# Allegro board zp-dic_pda_8ch_board_v001_166_20241018_1809.brd (continued)
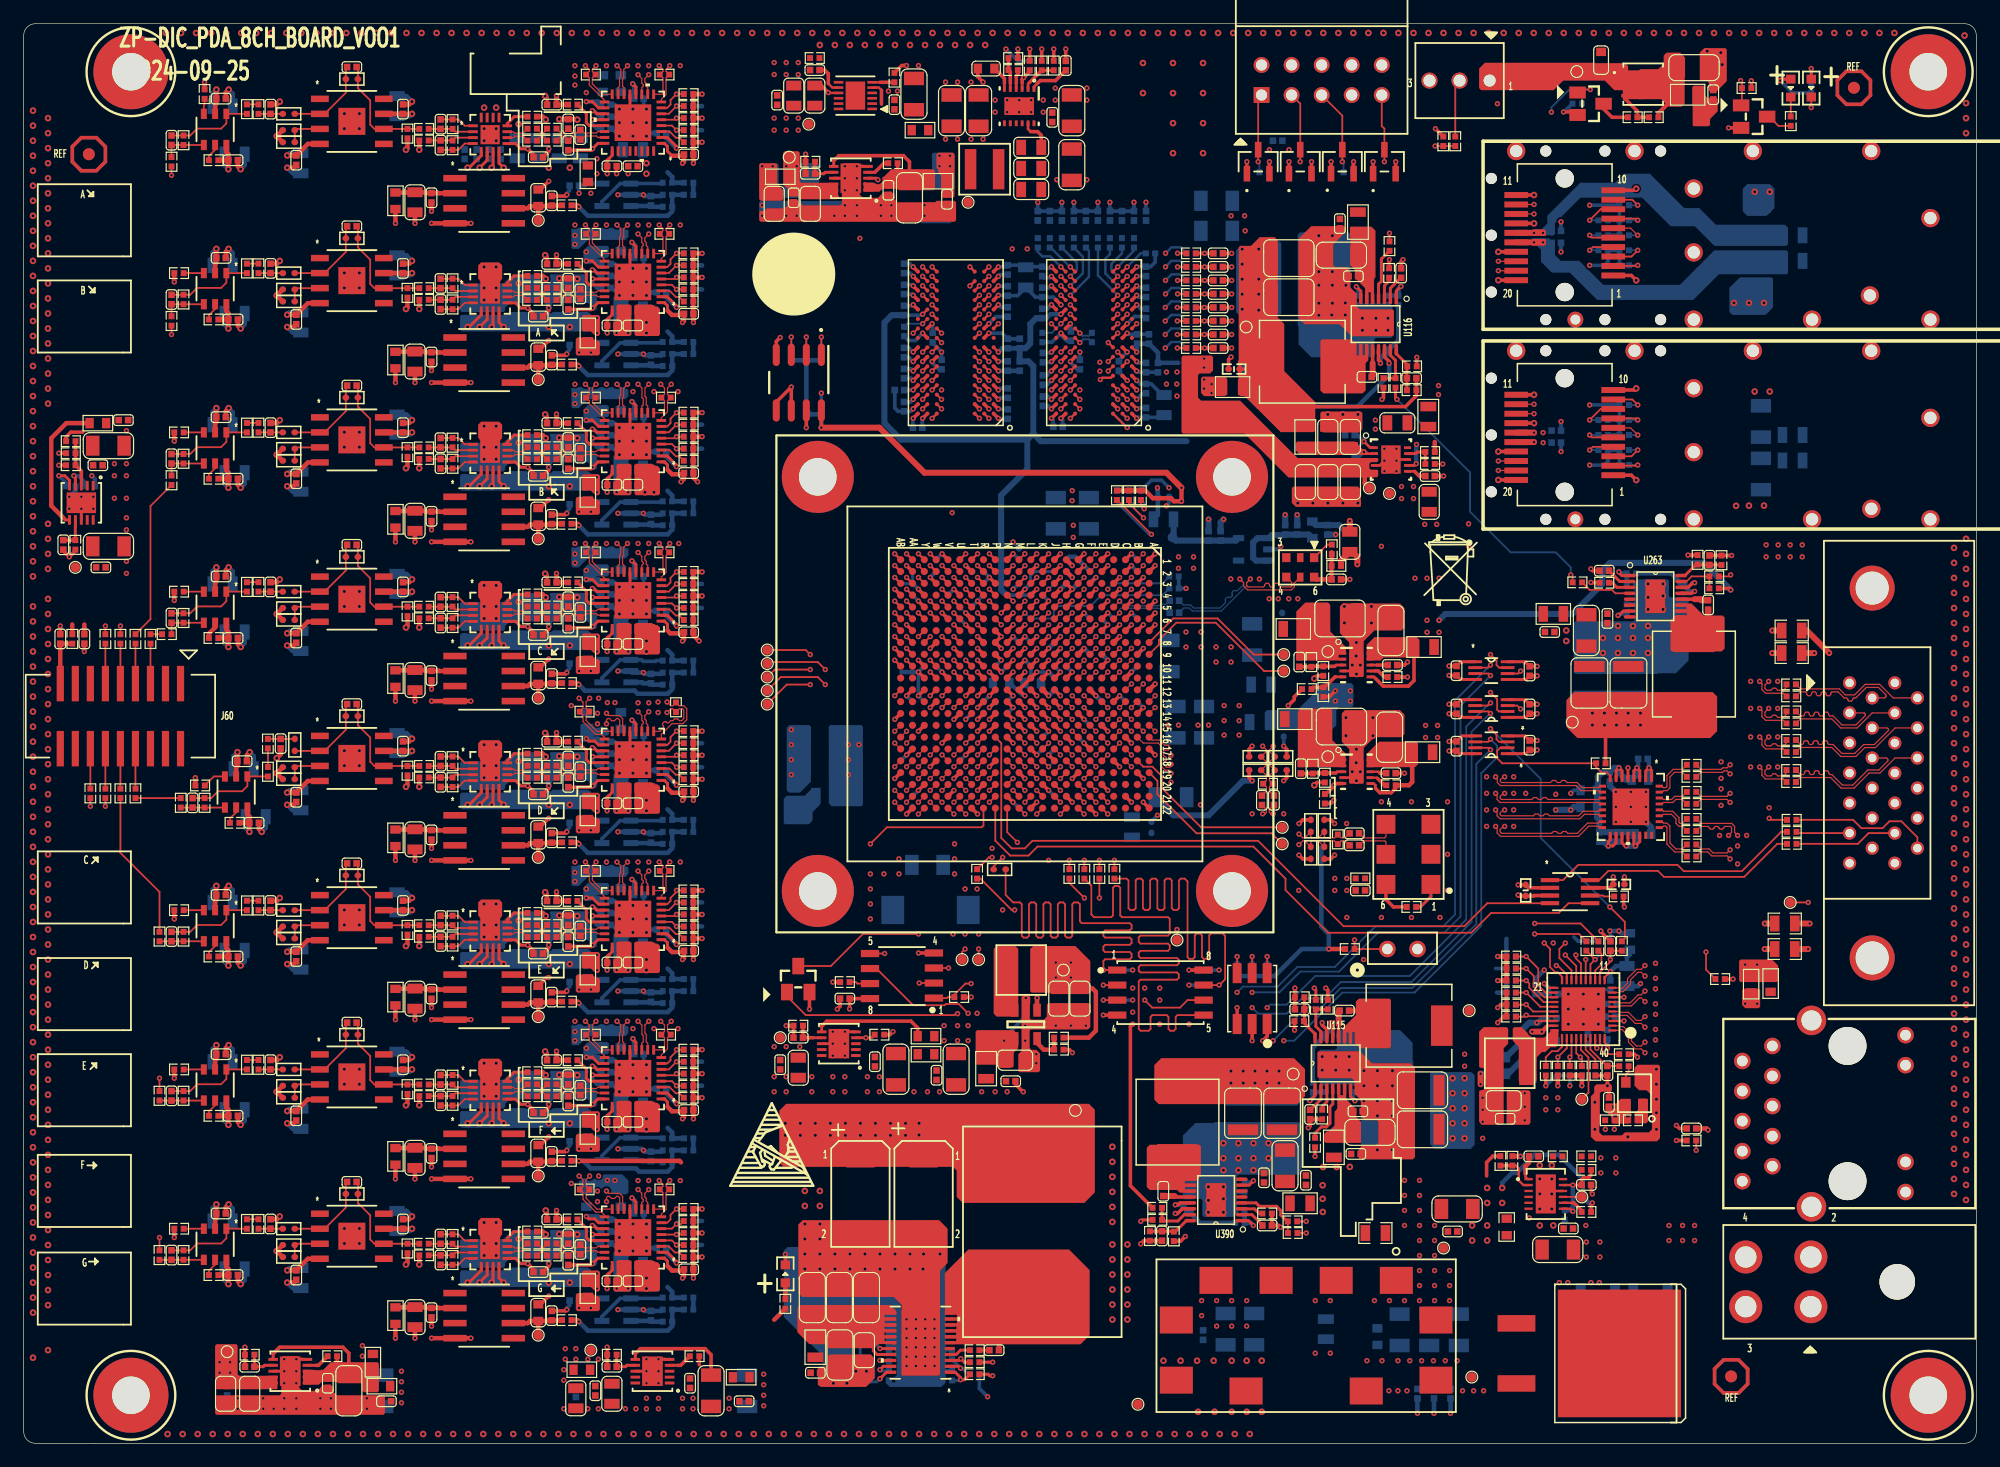
[diagram p0: board, top side]
## Routing (per net, layer and track width the routed paths; a pad name or vN(x,y) marks a point on that pad's centre or on a via; arc(x,y) is an arc through that point) (continued)
  TOP w0.508: R2085.2 v1(147.11,41.78) ; R2087.2 v1(147.75,68.7) ; R2086.2 v1(147.75,66.8) ; R2084.2 v1(147.12,43.94) ; C2484.2 v1(112.06,77.98)
  GND02 w0.305: J77.2 119.17,41.78 ; J77.2 116.51,41.78 ; J77.2 117.78,42.93 ; J77.2 117.78,40.51
  GND02 w0.508: J6.13 157.74,31.96 ; J6.13 159.02,33.08 ; J6.13 159.02,30.74 ; J6.13 160.28,31.96 ; 113.55,116.51 J1.10 ; J1.10 115.85,116.51 ; J1.10 114.76,115.42 ; J1.10 114.76,117.65 ; J1.2 105.69,116.51 ; J1.2 103.39,116.51 ; J1.2 104.6,115.42 ; J1.2 104.6,117.65 ; 117.71,115.19 J61.3 ; J61.3 118.79,116.33 ; J61.3 118.79,114.08 ; J61.3 119.89,115.19
  GND04 w0.305: J77.2 117.78,43.11 ; J77.2 116.63,41.78 ; J77.2 117.78,40.64 ; J77.2 118.98,41.78
  GND04 w0.508: 117.62,115.19 J61.3 ; J61.3 119.97,115.19 ; J61.3 118.79,116.36 ; J61.3 118.79,114.01 ; J1.10 114.76,117.76 ; J1.10 114.76,115.25 ; J1.10 116.01,116.51 ; J1.10 113.51,116.51 ; J1.2 104.6,117.76 ; J1.2 105.85,116.51 ; J1.2 103.35,116.51 ; J1.2 104.6,115.25 ; J6.13 160.21,31.96 ; J6.13 157.82,31.96 ; J6.13 159.02,33.08 ; J6.13 159.02,30.77
  GND07 w0.305: J77.2 118.92,41.78 ; J77.2 117.78,42.93 ; J77.2 117.78,40.64 ; J77.2 116.63,41.78
  GND07 w0.508: J1.10 114.76,117.73 ; J1.10 113.54,116.51 ; J1.10 115.98,116.51 ; J1.10 114.76,115.28 ; J61.3 118.79,113.98 ; J61.3 118.79,116.39 ; J61.3 117.59,115.19 ; J61.3 120,115.19 ; 159.02,30.73 J6.13 ; J6.13 157.67,31.96 ; J6.13 160.37,31.96 ; J6.13 159.02,33.08 ; J1.2 104.6,117.7 ; J1.2 104.6,115.28 ; J1.2 103.38,116.51 ; J1.2 105.82,116.51
  BOTTOM w0.254: R1042.1 70.32,5.7 v2(70.32,6.1) ; C855.2 v2(130.52,37.97) ; C851.2 133.42,38.33 v2(133.06,37.97) ; C642.2 v1(67.4,88.77)
  BOTTOM w0.305: v1(86.85,99.44) 86.74,99.33 86.2,99.33 C571.2 84.74,99.46 C250.2 84.49,99.59 C543.2 83.02,99.46 82.38,99.46 v1(82.36,99.44) ; R1196.2 130.16,112.54 v1(130.12,112.54) ; C153.2 88.1,65.69 v1(88.6,65.19) ; C3304.1 49.96,86.23 v2(50.34,85.85) ; R458.2 74.75,93.22 75.34,93.22 v1(75.96,93.84) ; C417.2 v1(89.61,59.19) ; C641.2 v1(101.01,40.01) ; v2(50.34,17.4) 49.83,17.91 C3371.1 ; v1(89.6,61.19) 90.09,60.71 C434.2 ; C507.2 75.08,96.16 v1(75.16,96.24) ; C3273.1 49.7,70.74 v2(50.34,70.1) ; C3344.1 49.7,30.35 v2(50.34,29.72) ; v1(75.16,86.64) 75.13,86.61 C530.2 ; C515.2 84.1,75.69 v1(83.6,76.19) ; v1(90.6,69.19) 90.14,68.73 C427.2 ; v1(85.69,104.9) C552.2 C524.2 C523.2 v1(87.72,104.9) ; R276.2 87.1,58.69 v1(86.61,58.19) ; C562.2 94.2,97.68 v1(94.05,97.84) ; C3292.1 52.39,59.16 v2(52.62,58.93) ; v1(80.6,68.19) U1.R8 C419.2 ; v2(50.34,30.86) 49.83,31.37 C3343.1 ; C494.2 84.11,67.69 v1(83.6,68.19) ; C3333.1 49.96,99.7 v2(50.34,99.31) ; C1185.2 106.48,58.93 v1(106.47,58.93) ; v1(95.6,75.19) U1.A1 C146.2 ; C510.2 79.1,69.7 v1(79.6,69.19) ; C166.2 83.11,62.69 v1(83.6,63.19) ; v2(52.62,18.54) 52.39,18.78 C3376.1 ; v2(50.34,72.39) 49.96,72.77 C3276.1 ; v1(82.36,96.24) 82.57,96.03 C531.2 ; C529.2 73.61,87.52 73.9,87.23 C535.2 74.95,87.23 v1(75.16,87.44) ; v2(50.34,111.63) 49.83,112.14 C3358.1 ; C462.2 75.11,62.69 v1(74.6,63.19) ; v2(50.34,18.54) 49.96,18.92 C3374.1 ; C3318.1 49.96,45.85 v2(50.34,45.47) ; v1(86.85,97.84) 86.69,97.68 C570.2 ; v1(83.6,72.19) 84.1,72.69 C516.2 ; v1(86.85,86.64) 87,86.49 C558.2 ; C514.2 81.1,72.69 v1(81.6,73.19) 81.1,73.7 C508.2 ; C3298.1 46.13,52.05 45.89,51.82 v1(45.89,51.69) ; v1(94.05,89.84) 94.33,89.55 C569.2 95.28,89.55 96.23,88.61 C566.2 ; C271.2 R219.2 111.66,86.78 v2(111.47,86.97) ; C3348.1 52.39,32.24 v2(52.62,32) ; C3362.1 52.39,113.01 v2(52.62,112.78) ; C3370.1 49.7,16.89 v2(50.34,16.26) ; C23.2 v1(129.91,103.25) ; C3340.1 46.13,92.44 45.89,92.2 v1(45.89,92.08) ; v1(74.6,53.19) U1.AA22 C408.2 ; C541.2 82.38,91.46 v1(82.36,91.44) ; v1(78.6,61.19) 79.1,61.69 R2141.2 ; C415.2 v1(92.6,63.19) 92.11,62.7 C441.2 ; C155.2 82.07,62.66 v1(81.6,62.19) ; v1(130.73,54.94) 130.98,55.19 C2471.2 ; v1(86.85,87.44) 86.6,87.69 C559.2 ; v1(96.78,80.77) 96.15,81.41 95.3,81.41 94.43,80.54 R341.1 R340.1 R342.1 ; v1(79.6,58.19) 79.1,57.69 C409.2 ; C418.2 81.11,61.7 v1(80.6,61.19) ; v1(45.89,65.15) 45.89,65.28 46.13,65.51 C3284.1 ; L3.1 81.9,64.9 v1(81.6,65.19) ; C3300.1 49.7,84.2 v2(50.34,83.57) ; v1(88.74,104.9) C15.2 C547.2 C548.2 v1(90.77,104.9) ; C2483.2 96.78,79.46 v1(96.57,79.25) ; v2(50.34,56.64) 49.7,57.28 C3288.1 ; v1(93.25,93.84) 93.34,93.75 C573.2 C545.2 ; v2(50.34,110.49) 49.7,111.13 C3357.1 ; C565.2 94.38,95.9 v1(94.05,96.24) ; C561.2 86.78,91.37 v1(86.85,91.44) ; v1(93.25,89.84) 92.55,90.54 C567.2 ; v2(50.34,32) 49.96,32.39 C3345.1 ; v2(50.34,43.18) 49.7,43.82 C3316.1 ; C563.2 86.51,95.9 v1(86.85,96.24) ; C426.2 92.14,68.73 v1(92.6,69.19) ; v2(52.62,72.39) 52.39,72.62 C3278.1 ; v1(82.36,89.04) 82.5,89.17 C540.2 ; C403.2 v1(86.6,60.19) ; v1(94.05,91.44) 94.16,91.33 C572.2 ; R1048.2 77.19,7.89 v1(76.97,8.12) ; v1(94.05,87.44) 94.13,87.52 C568.2 ; C410.2 74.11,56.7 v1(73.6,56.19) ; C3301.1 49.83,85.22 v2(50.34,84.71) ; C3312.1 46.13,78.97 45.89,78.74 v1(45.89,78.61) ; U1.L22 v1(85.6,54.19) ; v1(77.6,75.19) 77.11,74.69 C511.2 ; v1(77.6,65.19) 77.1,65.7 C463.2 ; C3359.1 49.96,113.16 v2(50.34,112.78) ; R490.2 86.88,93.07 v1(87.65,93.84) 87.65,93.68 88.12,93.2 C556.2 ; v1(75.16,90.64) 74.98,90.82 C536.2 ; v2(52.62,85.85) 52.39,86.09 C3306.1 ; C3328.1 49.83,98.68 v2(50.34,98.17) ; C2493.2 v1(129.91,83.83) ; C528.2 76.8,93 v1(77.56,92.24) C534.2 ; v1(82.36,97.84) 82.39,97.81 C542.2 ; v1(45.89,24.77) 45.89,24.89 46.13,25.13 C3354.1 ; v2(50.34,97.03) 49.7,97.66 C3330.1 ; C165.2 82.14,66.66 v1(82.6,66.19) 82.14,65.73 C420.2 ; v1(75.16,91.44) 74.8,91.8 C532.2 ; C3314.1 49.83,44.83 v2(50.34,44.32) ; U1.H21 v1(88.6,54.19) ; C854.2 133.68,36.09 v2(133.06,36.7) 133.49,37.13 C853.2 ; v2(50.34,71.25) 49.83,71.76 C3272.1 ; v1(45.89,105.54) 45.89,105.66 46.13,105.9 C3368.1 ; v1(75.6,71.19) 75.11,71.69 C492.2 ; v1(86.85,90.64) 86.47,90.26 C560.2 ; C3382.1 46.13,11.66 45.89,11.43 v1(45.89,11.3) ; C2491.2 v1(129.91,86.37) ; v2(50.34,58.93) 49.96,59.31 C3291.1 ; C144.2 94.14,68.73 v1(94.6,69.19) ; v1(93.82,104.9) C526.2 C527.2 C13.2 v1(91.79,104.9) ; C3334.1 52.39,99.55 v2(52.62,99.31) ; v1(45.89,38.23) 45.89,38.35 46.13,38.59 C3326.1 ; C3320.1 52.39,45.7 v2(52.62,45.47) ; C539.2 82.41,87.4 v1(82.36,87.44) ; v1(81.56,93.84) 82.68,93.84 C506.2 C520.2 ; U272.2 105.96,75.57 v1(106.22,75.82) ; C22.2 v1(129.91,100.71) ; v1(78.6,72.19) 78.11,71.7 R2143.2 ; C3287.1 49.83,58.29 v2(50.34,57.79) ; v1(93.6,75.19) 94.1,74.7 C431.2 ; C491.2 86.1,71.69 v1(86.6,71.19) ; C538.2 74.89,99.71 v1(75.16,99.44) ; R1046.1 77.39,6.12 v1(76.97,6.54) ; R8.2 95.62,99.84 95.24,99.46 C564.2 94.07,99.46 v1(94.05,99.44) ; v1(75.16,97.84) 75.07,97.94 C533.2 ; v1(95.8,53.09) 95.3,52.58 C2413.2 ; v1(91.6,69.19) 91.11,69.69 R41.2 ; C14.2 v1(94.84,104.9) ; C557.2 v1(89.25,92.24)
  BOTTOM w0.356: v1(137.33,57.1) 137.33,57.75 C2472.1
  BOTTOM w0.381: C3144.2 32.34,86.96 v2(32.81,86.49) ; v1(88.6,72.19) 89.07,72.66 C2482.2 ; v2(18.33,94.23) 18.68,94.58 C3194.2 ; v2(17.32,87.5) 17.66,87.16 C3141.2 ; v2(52.62,83.57) 52.88,83.82 C3303.1 ; R3180.1 4.38,80.54 v1(3.86,80.01) ; C3361.1 52.88,110.74 v2(52.62,110.49) ; C841.2 136.4,38.65 v1(136.62,38.86) ; v2(32.81,113.41) 32.34,113.88 C3236.2 ; C3102.2 18.68,67.65 v2(18.33,67.31) ; C3217.2 18.68,27.27 v2(18.33,26.92) ; v1(94.6,67.19) 94.1,66.69 C440.2 ; C3240.2 18.68,108.04 v2(18.33,107.7) ; v2(18.33,40.39) 18.68,40.73 C3171.2 ; C3167.2 32.34,46.57 v2(32.81,46.1) ; R3093.2 53.89,38.12 C3327.1 52.48,38.12 v1(52.37,38.23) U377.2 v1(50.21,38.23) ; v2(32.81,32.64) 32.34,33.11 C3213.2 ; v2(17.32,33.66) 17.66,33.31 C3405.2 ; v2(22.27,94.36) 22.74,93.89 C3187.2 ; R3072.2 53.89,78.51 C3313.1 52.48,78.51 v1(52.37,78.61) U374.2 v1(50.21,78.61) ; C3098.2 32.34,73.49 v2(32.81,73.03) ; v1(50.21,24.89) U383.2 52.24,24.89 v1(52.37,24.77) 52.48,24.66 C3355.1 53.89,24.66 R3135.2 ; v2(22.27,27.05) 22.74,26.58 C3210.2 ; C3164.2 22.74,40.04 v2(22.27,40.51) ; v2(17.32,114.43) 17.66,114.09 C3407.2 ; v1(91.6,66.19) 91.1,66.7 C438.2 ; R3114.2 53.89,91.97 C3341.1 52.48,91.97 v1(52.37,92.08) U380.2 v1(50.21,92.08) ; C3395.2 17.66,73.7 v2(17.32,74.04) ; v2(52.62,70.1) 52.88,70.36 C3275.1 ; 109.82,31.5 109.95,31.37 R1064.1 ; v2(52.62,43.18) 52.88,43.43 C3319.1 ; R1070.1 115.16,95.35 ; v2(32.81,19.18) 32.34,19.65 C3259.2 ; R3156.2 53.89,105.43 C3369.1 52.48,105.43 v1(52.37,105.54) U386.2 v1(50.21,105.54) ; C3399.2 22.74,80.43 v2(22.27,80.9) ; v2(18.33,13.46) 18.68,13.8 C3263.2 ; C3095.2 22.74,66.97 v2(22.27,67.44) ; v2(22.27,53.98) 22.74,53.51 C3397.2 ; C3190.2 32.34,100.42 v2(32.81,99.95) ; C3125.2 20.45,52.03 v2(20.11,51.69) ; v1(50.21,51.69) U371.2 v1(52.37,51.69) 52.48,51.58 C3299.1 53.89,51.58 R3051.2 ; v2(52.62,29.72) 52.88,29.97 C3346.1 ; v2(17.32,47.12) 17.66,46.78 C3401.2 ; v1(86.6,67.19) 87.07,67.66 C495.2 ; C842.2 133.55,34.94 v2(133.06,35.43) ; C3233.2 22.74,107.35 v2(22.27,107.82) ; v2(22.27,13.59) 22.74,13.12 C3256.2 ; C3148.2 18.68,81.11 v2(18.33,80.77) ; v2(32.81,59.56) 32.34,60.03 C3121.2 ; C3118.2 19.44,58.08 v2(19.1,58.42) ; v1(50.21,11.3) U389.2 v1(52.37,11.3) 52.48,11.2 C3383.1 53.89,11.2 R3177.2 ; R3193.1 101.51,19.65 ; C3403.2 17.66,100.62 v2(17.32,100.97) ; C430.2 90.14,72.72 v1(90.6,73.19) ; v2(52.62,97.03) 52.88,97.28 C3331.1 ; v2(52.62,56.64) 52.88,56.9 C3290.1 ; R3030.2 53.89,65.04 C3285.1 52.48,65.04 v1(52.37,65.15) 51.43,65.15 U368.2 v1(50.21,65.28) ; C3409.2 17.66,19.85 v2(17.32,20.19) ; R1080.1 137.13,72.52 ; C3375.1 52.88,16.51 v2(52.62,16.26) ; R3196.1 102.42,21.27 ; R2253.1 136.4,70.91
  BOTTOM w0.508: C2488.2 101.14,77.85 v1(101.39,78.11) ; C2489.1 v1(100.12,78.11) ; v1(137.33,57.1) 137.33,56.15 C2467.2 ; C2473.1 133.54,50.86 v1(133.9,50.5) 134.27,50.86 C2470.1 ; v1(134.54,55.07) 134.03,55.58 C2469.1 ; C2486.2 v1(106.6,78.49) ; C2485.1 v1(110.87,76.82) ; C2468.2 137.53,52.08 v1(137.08,52.53) ; C2487.1 v1(107.62,78.49)
  vias: v1(3.86,78.99) v1(4.87,80.01) v1(5.89,80.01) v1(5.89,78.99) v1(7.67,82.8) v1(7.67,81.79) v1(7.67,79.88) v1(8.68,85.6) v1(8.68,82.8) v1(8.68,81.79) v1(8.68,79.88) v1(8.68,78.23) v1(8.68,77.22) v1(8.68,74.55) v1(8.68,73.53) v1(18.08,3.81) v1(18.08,2.92) v1(20.24,3.81) v1(20.24,2.92) v1(21.13,2.92) v1(22.02,7.11) v1(22.02,5.08) v1(22.02,3.81) v1(22.02,2.92) v1(23.03,6.1) v1(23.03,5.08) v1(23.03,3.81) v1(23.03,2.92) v1(25.07,3.81) v1(25.07,2.92) v1(25.95,3.81) v1(25.95,2.92) v1(29,3.81) v1(29,2.92) v1(45.64,2.92) v1(46.27,62.36) v1(46.27,21.97) v1(46.58,116.45) v1(46.58,102.98) v1(46.58,89.52) v1(46.58,76.06) v1(46.58,49.14) v1(46.58,35.67) v1(47.67,2.92) v1(48.49,61.71) v1(48.49,60.82) v1(48.49,21.32) v1(48.49,20.43) v1(48.56,2.92) v1(48.59,62.98) v1(48.59,22.59) v1(49.25,116.45) v1(49.25,102.98) v1(49.25,89.52) v1(49.25,76.06) v1(49.25,49.14) v1(49.25,35.67) v1(50.85,2.92) v1(51.08,107.32) v1(51.08,93.85) v1(51.08,80.39) v1(51.08,66.93) v1(51.08,53.47) v1(51.08,40.01) v1(51.08,26.54) v1(51.08,13.08) v1(51.48,88.9) v1(51.48,35.05) v1(51.74,2.92) v1(51.91,116.45) v1(51.91,102.98) v1(51.91,76.06) v1(51.91,62.6) v1(51.91,49.14) v1(51.91,22.21) v1(52.62,7.11) v1(52.62,5.08) v1(52.62,3.81) v1(52.62,2.92) v1(52.82,116.45) v1(52.82,102.98) v1(52.82,76.06) v1(52.82,62.6) v1(52.82,49.14) v1(52.82,22.21) v1(53.26,88.9) v1(53.26,35.05) v1(53.61,62.66) v1(53.61,61.77) v1(53.64,6.1) v1(53.64,5.08) v1(53.64,3.81) v1(53.64,2.92) v1(55.29,88.9) v1(55.36,76.06) v1(55.29,35.05) v1(55.48,116.45) v1(55.48,102.98) v1(55.48,49.14) v1(55.48,22.21) v1(55.67,3.81) v1(55.67,2.92) v1(56.56,3.81) v1(56.56,2.92) v1(59.61,3.81) v1(59.61,2.92) v1(62.4,104.65) v1(62.4,103.76) v1(63.42,116.71) v1(63.42,115.7) v1(63.42,30.99) v1(63.42,29.72) v1(64.44,116.71) v1(64.44,115.7) v1(64.44,103.76) v1(64.44,30.99) v1(64.44,29.72) v1(64.86,60.33) v1(64.86,59.06) v1(64.86,57.79) v1(64.86,56.52) v1(65.32,103.76) v1(65.45,116.71) v1(65.45,115.7) v1(66.59,30.99) v1(66.59,29.72) v1(68.37,34.8) v1(68.37,32.77) v1(68.37,30.99) v1(68.37,29.72) v1(68.5,103.76) v1(69.39,107.95) v1(69.39,105.92) v1(69.39,104.65) v1(69.39,103.76) v1(69.39,33.78) v1(69.39,32.77) v1(69.39,30.99) v1(69.39,29.72) v1(70.4,106.93) v1(70.4,105.92) v1(70.4,104.65) v1(70.4,103.76) v1(71.29,30.99) v1(71.29,29.72) v1(72.31,30.99) v1(72.31,29.72) v1(72.44,104.65) v1(72.44,103.76) v1(73.07,114.3) v1(73.33,104.65) v1(73.33,103.76) v1(73.83,114.3) v1(74.6,10.48) v1(74.6,9.69) v1(74.6,8.9) v1(74.6,8.11) v1(74.6,7.33) v1(74.6,6.54) v1(75.23,29.72) v1(75.39,10.48) v1(75.39,9.69) v1(75.39,8.9) v1(75.39,8.11) v1(75.39,7.33) v1(75.39,6.54) v1(75.61,116.46) v1(76.12,104.65) v1(76.12,103.76) v1(76.18,10.48) v1(76.18,9.69) v1(76.18,8.9) v1(76.18,8.12) v1(76.18,7.33) v1(76.18,6.54) v1(76.37,29.72) v1(76.97,10.48) v1(76.97,9.69) v1(76.97,8.9) v1(76.97,7.33) v1(77.39,29.72) v1(77.56,89.04) v1(77.9,115.06) v1(78.46,78.66) v1(78.66,49.4) v1(78.66,48.13) v1(78.91,115.06) v1(79.55,46.86) v1(79.55,43.05) v1(80.06,115.06) v1(80.56,46.86) v1(80.56,36.35) v1(80.69,43.05) v1(81.83,50.29) v1(82.09,113.54) v1(82.09,112.52) v1(82.72,45.09) v1(83.1,113.54) v1(83.1,112.52) v1(83.53,100.97) v1(84.12,113.54) v1(84.12,112.52) v1(84.63,35.31) v1(84.63,34.04) v1(84.8,100.97) v1(85.14,113.54) v1(85.14,112.52) v1(85.56,32.89) v1(85.56,32.13) v1(86.15,113.54) v1(86.15,112.52) v1(87.17,114.55) v1(87.17,113.54) v1(87.22,35.31) v1(87.3,106.81) v1(88.49,35.31) v1(88.6,80.53) v1(88.59,79.68) v1(89.25,89.04) v1(89.76,35.31) v1(89.84,114.55) v1(89.84,113.54) v1(89.84,106.81) v1(90.94,91.38) v1(90.94,90.63) v1(94.6,71.19) v1(94.73,38.48) v1(96.69,60.71) v1(96.95,58.17) v1(96.95,55.88) v1(97.58,60.71) v1(99.23,60.71) v1(99.44,53.98) v1(99.53,12.07) v1(99.53,10.8) v1(100.12,60.71) v1(100.8,12.07) v1(100.8,9.91) v1(102.03,103.76) v1(102,73.06) v1(102.07,12.07) v1(102.07,9.91) v1(103.17,103.76) v1(103.22,102.49) v1(103.34,12.07) v1(103.34,9.91) v1(103.81,53.21) v1(104.42,73.06) v1(105.27,109.35) v1(105.25,71.39) v1(106.01,71.39) v1(106.47,53.21) v1(106.9,71.39) v1(107.66,71.39) v1(107.74,46.74) v1(110.79,46.74) v1(111.79,52.39) v1(111.81,46.74) v1(111.81,44.45) v1(113.22,40.89) v1(114.22,86.49) v1(114.22,85.73) v1(114.73,54.23) v1(114.73,44.45) v1(114.98,84.07) v1(114.98,82.17) v1(116,84.07) v1(116,82.17) v1(117.27,54.23) v1(117.27,44.45) v1(118.39,77.68) v1(119.4,77.68) v1(119.68,44.45) v1(120.32,54.23) v1(120.32,49.78) v1(120.32,46.74) v1(123.62,56.34) v1(123.62,54.94) v1(123.62,53.54) v1(123.62,52.15) v1(124.53,113.23) v1(125.9,56.34) v1(125.9,54.94) v1(125.9,53.54) v1(125.9,52.15) v1(126.84,29.59) v1(126.84,28.45) v1(126.84,27.31) v1(129.25,42.29) v1(134.54,53.8) v1(134.54,52.53) v1(135.81,55.07) v1(135.81,53.8) v1(135.81,52.53) v1(137.08,55.07) v1(137.08,53.8) v1(137.89,40.58) v1(137.89,39.31) v1(137.89,38.42) v1(137.89,37.15) v1(137.89,36.26) v1(137.89,34.99) v1(137.89,34.1) v1(137.89,32.83) v1(143.3,51.38) v1(143.43,57.61) v1(143.43,56.21) v1(143.43,55.32) v1(143.43,53.92) v1(144.83,50.5) v1(144.83,48.97) v1(145.46,40.47) v1(145.59,51.38) v1(145.93,64.41) v1(145.93,62.12) v1(145.93,59.71) v1(145.93,57.17) v1(146.48,40.47) v1(147.49,53.72) v1(148.22,64.41) v1(148.22,62.12) v1(148.22,59.71) v1(148.22,57.17) v2(0.79,112.65) v2(0.79,111.38) v2(0.79,110.11) v2(0.79,108.84) v2(0.79,107.57) v2(0.79,106.3) v2(0.79,105.03) v2(0.79,103.76) v2(0.79,102.49) v2(0.79,101.22) v2(0.79,99.95) v2(0.79,98.68) v2(0.79,97.41) v2(0.79,96.14) v2(0.79,94.87) v2(0.79,93.6) v2(0.79,92.33) v2(0.79,91.06) v2(0.79,89.79) v2(0.79,88.52) v2(0.79,87.25) v2(0.79,85.98) v2(0.79,84.71) v2(0.79,83.44) v2(0.79,82.17) v2(0.79,80.9) v2(0.79,79.63) v2(0.79,78.36) v2(0.79,77.09) v2(0.79,75.82) v2(0.79,74.55) v2(0.79,73.28) v2(0.79,70.74) v2(0.79,69.47) v2(0.79,68.2) v2(0.79,66.93) v2(0.79,65.66) v2(0.79,64.39) v2(0.79,63.12) v2(0.79,61.85) v2(0.79,60.58) v2(0.79,59.31) v2(0.79,58.04) v2(0.79,56.77) v2(0.79,55.5) v2(0.79,54.23) v2(0.79,52.96) v2(0.79,51.69) v2(0.79,50.42) v2(0.79,49.15) v2(0.79,47.88) v2(0.79,46.61) v2(0.79,45.34) v2(0.79,44.07) v2(0.79,42.8) v2(0.79,41.53) v2(0.79,40.26) v2(0.79,38.99) v2(0.79,37.72) v2(0.79,36.45) v2(0.79,35.18) v2(0.79,33.91) v2(0.79,32.64) v2(0.79,31.37) v2(0.79,30.1) v2(0.79,28.83) v2(0.79,27.56) v2(0.79,26.29) v2(0.79,25.02) v2(0.79,23.75) v2(0.79,22.48) v2(0.79,21.21) v2(0.79,19.94) v2(0.79,18.67) v2(0.79,17.4) v2(0.79,16.13) v2(0.79,14.86) v2(0.79,13.59) v2(0.79,12.32) v2(0.79,11.05) v2(0.79,7.24) v2(2.06,112.01) v2(2.06,110.74) v2(2.06,109.47) v2(2.06,108.2) v2(2.06,106.93) v2(2.06,105.66) v2(2.06,104.39) v2(2.06,103.12) v2(2.06,101.85) v2(2.06,100.58) v2(2.06,99.31) v2(2.06,98.04) v2(2.06,96.77) v2(2.06,95.5) v2(2.06,94.23) v2(2.06,92.96) v2(2.06,91.69) v2(2.06,90.42) v2(2.06,89.15) v2(2.06,87.88) v2(2.06,77.72) v2(2.06,76.45) v2(2.06,75.18) v2(2.06,73.91) v2(2.06,71.37) v2(2.06,70.1) v2(2.06,68.83) v2(2.06,67.56) v2(2.06,66.29) v2(2.06,65.02) v2(2.06,63.75) v2(2.06,62.48) v2(2.06,61.21) v2(2.06,59.94) v2(2.06,58.67) v2(2.06,57.4) v2(2.06,56.13) v2(2.06,54.86) v2(2.06,53.59) v2(2.06,52.32) v2(2.06,51.05) v2(2.06,49.78) v2(2.06,48.51) v2(2.06,47.24) v2(2.06,45.97) v2(2.06,44.7) v2(2.06,43.43) v2(2.06,42.16) v2(2.06,40.89) v2(2.06,39.62) v2(2.06,38.35) v2(2.06,37.08) v2(2.06,35.81) v2(2.06,34.54) v2(2.06,33.27) v2(2.06,32) v2(2.06,30.73) v2(2.06,29.46) v2(2.06,28.19) v2(2.06,26.92) v2(2.06,25.65) v2(2.06,24.38) v2(2.06,23.11) v2(2.06,21.84) v2(2.06,20.57) v2(2.06,19.3) v2(2.06,18.03) v2(2.06,16.76) v2(2.06,15.49) v2(2.06,14.22) v2(2.06,12.95) v2(2.06,11.68) v2(2.06,7.87) v2(12.03,119.21) v2(12.16,0.79) v2(13.3,119.21) v2(13.43,0.79) v2(14.57,119.21) v2(14.7,0.79) v2(15.84,119.21) v2(15.97,0.79) v2(17.11,119.21) v2(17.24,0.79) v2(18.38,119.21) v2(18.51,0.79) v2(19.65,119.21) v2(19.78,0.79) v2(20.92,119.21) v2(21.05,0.79) v2(22.19,119.21) v2(22.32,0.79) v2(23.46,119.21) v2(23.59,0.79) v2(24.73,119.21) v2(24.86,0.79) v2(26,119.21) v2(26.13,0.79) v2(27.1,112.4) v2(27.1,111.13) v2(27.1,98.93) v2(27.1,97.66) v2(27.1,85.47) v2(27.1,84.2) v2(27.1,72.01) v2(27.1,70.74) v2(27.1,58.55) v2(27.1,57.28) v2(27.1,45.09) v2(27.1,43.82) v2(27.1,31.62) v2(27.1,30.35) v2(27.1,18.16) v2(27.1,16.89) v2(27.27,119.21) v2(27.4,0.79) v2(28.37,112.4) v2(28.37,111.13) v2(28.37,98.93) v2(28.37,97.66) v2(28.37,85.47) v2(28.37,84.2) v2(28.37,72.01) v2(28.37,70.74) v2(28.37,58.55) v2(28.37,57.28) v2(28.37,45.09) v2(28.37,43.82) v2(28.37,31.62) v2(28.37,30.35) v2(28.37,18.16) v2(28.37,16.89) v2(28.54,119.21) v2(28.67,0.79) v2(29.81,119.21) v2(29.94,0.79) v2(31.08,119.21) v2(31.21,0.79) v2(32.35,119.21) v2(32.48,0.79) v2(33.62,119.21) v2(33.75,0.79) v2(34.89,119.21) v2(35.02,0.79) v2(36.16,119.21) v2(36.29,0.79) v2(37.43,119.21) v2(37.56,0.79) v2(38.7,119.21) v2(38.83,0.79) v2(38.91,112.9) v2(38.91,111.13) v2(38.91,110.11) v2(38.91,99.44) v2(38.91,97.66) v2(38.91,96.65) v2(38.91,85.98) v2(38.91,84.2) v2(38.91,83.19) v2(38.91,72.52) v2(38.91,70.74) v2(38.91,69.72) v2(38.91,59.06) v2(38.91,57.28) v2(38.91,56.26) v2(38.91,45.59) v2(38.91,43.82) v2(38.91,42.8) v2(38.91,32.13) v2(38.91,30.35) v2(38.91,29.34) v2(38.91,18.67) v2(38.91,16.89) v2(38.91,15.88) v2(39.97,119.21) v2(39.92,112.9) v2(39.92,111.13) v2(39.92,110.11) v2(39.92,99.44) v2(39.92,97.66) v2(39.92,96.65) v2(39.92,85.98) v2(39.92,84.2) v2(39.92,83.19) v2(39.92,72.52) v2(39.92,70.74) v2(39.92,69.72) v2(39.92,59.06) v2(39.92,57.28) v2(39.92,56.26) v2(39.92,45.59) v2(39.92,43.82) v2(39.92,42.8) v2(39.92,32.13) v2(39.92,30.35) v2(39.92,29.34) v2(39.92,18.67) v2(39.92,16.89) v2(39.92,15.88) v2(40.1,0.79) v2(41.24,119.21) v2(41.37,0.79) v2(41.83,111.51) v2(41.83,98.04) v2(41.83,84.58) v2(41.83,71.12) v2(41.83,57.66) v2(41.83,44.2) v2(41.83,30.73) v2(41.83,17.27) v2(42.51,119.21) v2(42.64,0.79) v2(43.78,119.21) v2(43.91,0.79) v2(45.05,119.21) v2(45.18,0.79) v2(46.32,119.21) v2(46.45,0.79) v2(47.59,119.21) v2(47.72,0.79) v2(48.86,119.21) v2(48.99,0.79) v2(50.13,119.21) v2(50.26,0.79) v2(51.4,119.21) v2(51.48,111.63) v2(51.48,110.49) v2(51.48,98.17) v2(51.48,97.03) v2(51.48,84.71) v2(51.48,83.57) v2(51.48,71.25) v2(51.48,70.1) v2(51.48,57.79) v2(51.48,56.64) v2(51.48,44.32) v2(51.48,43.18) v2(51.48,30.86) v2(51.48,29.72) v2(51.48,17.4) v2(51.48,16.26) v2(51.53,0.79) v2(52.67,119.21) v2(52.62,111.63) v2(52.62,98.17) v2(52.62,84.71) v2(52.62,71.25) v2(52.62,57.79) v2(52.62,44.32) v2(52.62,30.86) v2(52.62,17.4) v2(52.8,0.79) v2(53.94,119.21) v2(54.07,0.79) v2(55.21,119.21) v2(55.34,0.79) v2(56.48,119.21) v2(56.61,0.79) v2(57.75,119.21) v2(57.88,0.79) v2(59.02,119.21) v2(59.15,0.79) v2(60.29,119.21) v2(60.42,0.79) v2(61.56,119.21) v2(61.69,0.79) v2(62.83,119.21) v2(62.96,0.79) v2(64.1,119.21) v2(64.23,0.79) v2(65.37,119.21) v2(65.5,0.79) v2(66.01,21.34) v2(66.01,20.07) v2(66.01,18.54) v2(66.01,17.27) v2(66.01,16) v2(66.01,14.73) v2(66.64,119.21) v2(66.77,0.79) v2(67.27,118.2) v2(67.28,21.34) v2(67.28,20.07) v2(67.28,18.54) v2(67.28,17.27) v2(67.28,16) v2(67.28,14.73) v2(67.91,119.21) v2(68.04,0.79) v2(68.42,5.08) v2(68.54,118.2) v2(68.55,16) v2(68.55,14.73) v2(69.18,119.21) v2(69.31,0.79) v2(69.56,5.08) v2(69.81,118.2) v2(69.82,16) v2(69.82,14.73) v2(70.45,119.21) v2(70.58,0.79) v2(71.08,118.2) v2(71.09,16) v2(71.09,14.73) v2(71.21,6.1) v2(71.72,119.21) v2(71.85,0.79) v2(72.35,118.2) v2(72.36,16) v2(72.36,14.73) v2(72.99,119.21) v2(73.12,0.79) v2(73.62,118.2) v2(73.63,16) v2(73.63,14.73) v2(74.26,119.21) v2(74.39,0.79) v2(74.89,118.2) v2(74.9,16) v2(74.9,14.73) v2(75.53,119.21) v2(75.66,0.79) v2(76.04,16) v2(75.99,14.73) v2(76.16,118.2) v2(76.8,119.21) v2(76.93,0.79) v2(77.43,118.2) v2(77.44,16) v2(78.07,119.21) v2(78.2,0.79) v2(78.7,118.2) v2(79.34,119.21) v2(79.47,0.79) v2(79.97,118.2) v2(80.61,119.21) v2(80.74,0.79) v2(81.24,118.2) v2(81.88,119.21) v2(82.01,0.79) v2(83.15,119.21) v2(83.28,0.79) v2(84.42,119.21) v2(84.55,0.79) v2(85.69,119.21) v2(85.82,0.79) v2(86.96,119.21) v2(87.09,0.79) v2(88.23,119.21) v2(88.36,0.79) v2(89.5,119.21) v2(89.63,0.79) v2(90.77,119.21) v2(90.9,0.79) v2(92.04,119.21) v2(91.99,25.07) v2(91.99,23.8) v2(91.99,22.53) v2(91.99,21.26) v2(91.99,19.99) v2(91.99,18.72) v2(91.99,16.81) v2(91.99,15.54) v2(91.99,14.27) v2(91.99,13) v2(91.99,11.73) v2(91.99,10.46) v2(92.17,0.79) v2(93.26,16.81) v2(93.26,15.54) v2(93.26,14.27) v2(93.26,13) v2(93.26,11.73) v2(93.26,10.46) v2(93.31,119.21) v2(93.44,0.79) v2(94.58,119.21) v2(94.58,116.67) v2(94.58,114.13) v2(94.71,0.79) v2(95.85,119.21) v2(95.98,0.79) v2(97.12,119.21) v2(97.12,116.67) v2(97.12,114.13) v2(97.12,111.59) v2(97.12,109.05) v2(97.25,0.79) v2(98.39,119.21) v2(98.52,0.79) v2(99.66,119.21) v2(99.66,116.67) v2(99.66,114.13) v2(99.66,111.59) v2(99.66,109.05) v2(99.79,0.79) v2(100.11,21.69) v2(100.11,20.54) v2(100.11,19.53) v2(100.93,119.21) v2(101.06,0.79) v2(101.38,25.37) v2(101.38,24.1) v2(101.38,23.08) v2(101.38,21.69) v2(101.38,20.67) v2(101.38,19.53) v2(102.2,119.21) v2(102.33,0.79) v2(102.65,25.37) v2(102.65,24.1) v2(102.65,23.08) v2(103.47,119.21) v2(103.6,0.79) v2(103.92,25.37) v2(103.92,24.1) v2(103.92,23.08) v2(104.74,119.21) v2(105.19,25.37) v2(105.19,24.1) v2(106.01,119.21) v2(107.28,119.21) v2(107.66,79.48) v2(108.55,119.21) v2(108.93,79.48) v2(109.44,102.08) v2(109.44,99.03) v2(109.44,97.89) v2(109.44,96.37) v2(109.44,95.35) v2(109.73,32.69) v2(109.73,31.54) v2(109.82,119.21) v2(110.2,86.97) v2(110.2,79.48) v2(110.54,95.38) v2(110.58,102.08) v2(110.58,99.03) v2(110.58,97.89) v2(110.58,96.37) v2(110.87,32.69) v2(110.87,31.54) v2(111.09,119.21) v2(111.47,79.48) v2(111.6,70.74) v2(111.6,69.34) v2(111.73,97.89) v2(111.68,96.39) v2(111.68,95.38) v2(111.73,61.34) v2(111.73,59.82) v2(112.01,32.69) v2(112.01,31.54) v2(112.26,65.79) v2(112.26,56.77) v2(112.36,119.21) v2(112.62,67.69) v2(112.59,66.55) v2(112.62,65.02) v2(112.62,58.67) v2(112.59,57.53) v2(112.62,56.01) v2(112.74,86.97) v2(112.74,79.48) v2(112.95,65.79) v2(112.95,56.77) v2(113.12,95.1) v2(113.12,94.08) v2(113.25,31.5) v2(113.25,30.23) v2(113.25,28.96) v2(113.63,119.21) v2(113.89,70.74) v2(113.89,69.34) v2(114.01,61.34) v2(114.01,59.82) v2(114.27,95.1) v2(114.27,94.08) v2(114.39,31.5) v2(114.39,30.23) v2(114.39,28.96) v2(114.39,27.69) v2(114.39,24.81) v2(114.9,119.21) v2(115.28,95.1) v2(115.28,94.08) v2(115.66,31.5) v2(115.66,30.23) v2(115.66,28.96) v2(115.66,27.69) v2(115.66,24.81) v2(116.17,119.21) v2(117.44,119.21) v2(118.71,119.21) v2(119.98,119.21) v2(121.25,119.21) v2(122.52,119.21) v2(123.79,119.21) v2(125.06,119.21) v2(126.33,119.21) v2(127.6,119.21) v2(128.87,119.21) v2(130.14,119.21) v2(130.35,68.71) v2(130.35,67.82) v2(130.52,36.7) v2(130.52,35.43) v2(131.41,119.21) v2(131.79,37.97) v2(131.79,36.7) v2(131.79,35.43) v2(132.68,119.21) v2(132.76,28.83) v2(132.76,26.54) v2(133.45,68.08) v2(133.45,66.81) v2(133.95,119.21) v2(134.72,69.09) v2(134.72,68.08) v2(134.72,66.81) v2(135.22,119.21) v2(135.56,25.91) v2(135.99,69.09) v2(135.99,68.08) v2(135.99,66.81) v2(136.49,119.21) v2(137.26,72.65) v2(137.26,71.5) v2(137.26,70.49) v2(137.26,69.09) v2(137.26,68.08) v2(137.26,66.81) v2(137.76,119.21) v2(137.97,31.62) v2(137.97,30.35) v2(137.97,29.08) v2(137.97,27.94) v2(137.97,26.54) v2(138.53,72.65) v2(138.53,71.63) v2(138.53,70.49) v2(139.03,119.21) v2(140.3,119.21) v2(141.57,119.21) v2(142.26,117.68) v2(142.84,119.21) v2(143.4,117.55) v2(143.53,116.54) v2(144.11,119.21) v2(144.52,96.4) v2(144.7,79.25) v2(145.38,119.21) v2(145.79,96.4) v2(145.79,79.26) v2(146.27,105.79) v2(146.27,88.91) v2(146.65,119.21) v2(147.06,96.4) v2(147.06,79.26) v2(147.54,105.79) v2(147.54,88.91) v2(147.92,119.21) v2(149.19,119.21) v2(150.46,119.21) v2(151.73,119.21) v2(153,119.21) v2(154.27,119.21) v2(155.54,119.21) v2(156.81,119.21) v2(158.08,119.21) v2(163.11,75.69) v2(163.11,74.42) v2(163.11,73.15) v2(163.11,71.88) v2(163.11,70.61) v2(163.11,69.34) v2(163.11,68.07) v2(163.11,66.8) v2(163.11,65.53) v2(163.11,64.26) v2(163.11,62.99) v2(163.11,61.72) v2(163.11,60.45) v2(163.11,59.18) v2(163.11,57.91) v2(163.11,56.64) v2(163.11,55.37) v2(163.11,54.1) v2(163.11,52.83) v2(163.11,51.56) v2(163.11,50.29) v2(163.11,49.02) v2(163.11,47.75) v2(163.11,46.48) v2(163.11,45.21) v2(163.11,43.94) v2(163.11,42.67) v2(163.11,41.4) v2(163.11,40.13) v2(163.11,38.86) v2(163.11,37.59) v2(163.11,36.32) v2(163.11,35.05) v2(163.11,33.78) v2(163.11,32.51) v2(163.11,31.24) v2(163.11,29.97) v2(163.11,28.7) v2(163.11,27.43) v2(163.11,26.16) v2(163.11,24.89) v2(163.11,23.62) v2(163.11,22.35) v2(163.11,21.08) v2(164,119) v2(164.13,113.28) v2(164.13,112.01) v2(164.13,110.74) v2(164.13,76.45) v2(164.13,75.18) v2(164.13,73.91) v2(164.13,72.64) v2(164.13,71.37) v2(164.13,70.1) v2(164.13,68.83) v2(164.13,67.56) v2(164.13,66.29) v2(164.13,65.02) v2(164.13,63.75) v2(164.13,62.48) v2(164.13,61.21) v2(164.13,59.94) v2(164.13,58.67) v2(164.13,57.4) v2(164.13,56.13) v2(164.13,54.86) v2(164.13,53.59) v2(164.13,52.32) v2(164.13,51.05) v2(164.13,49.78) v2(164.13,48.51) v2(164.13,47.24) v2(164.13,45.97) v2(164.13,44.7) v2(164.13,43.43) v2(164.13,42.16) v2(164.13,40.89) v2(164.13,39.62) v2(164.13,38.35) v2(164.13,37.08) v2(164.13,35.81) v2(164.13,34.54) v2(164.13,33.27) v2(164.13,32) v2(164.13,30.73) v2(164.13,29.46) v2(164.13,28.19) v2(164.13,26.92) v2(164.13,25.65) v2(164.13,24.38) v2(164.13,23.11) v2(164.13,21.84) v2(164.13,20.57)
